# Altium PCB Front Row.PcbDoc (part 1 of 2)
Units mm, origin at the board's own origin, x right, y up, seen from the top; angles counter-clockwise.
Board outline 154 x 45 mm, 8 copper layers (Top Layer, Layer 2, Layer 3, Layer 4, Layer 5, Layer 6, Layer 7, Bottom Layer), stack 1.611 mm thick; 29 components, 105 nets, 532 pads, 156 vias.
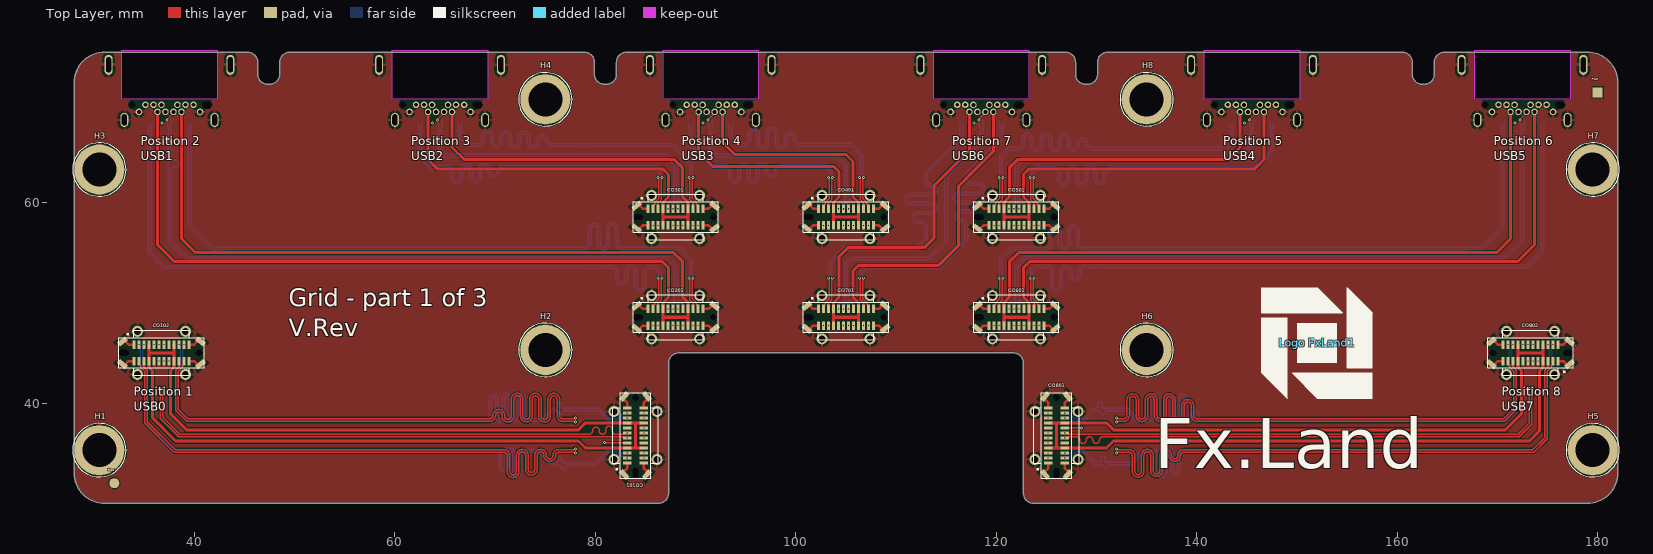
[diagram p0: Top Layer view]
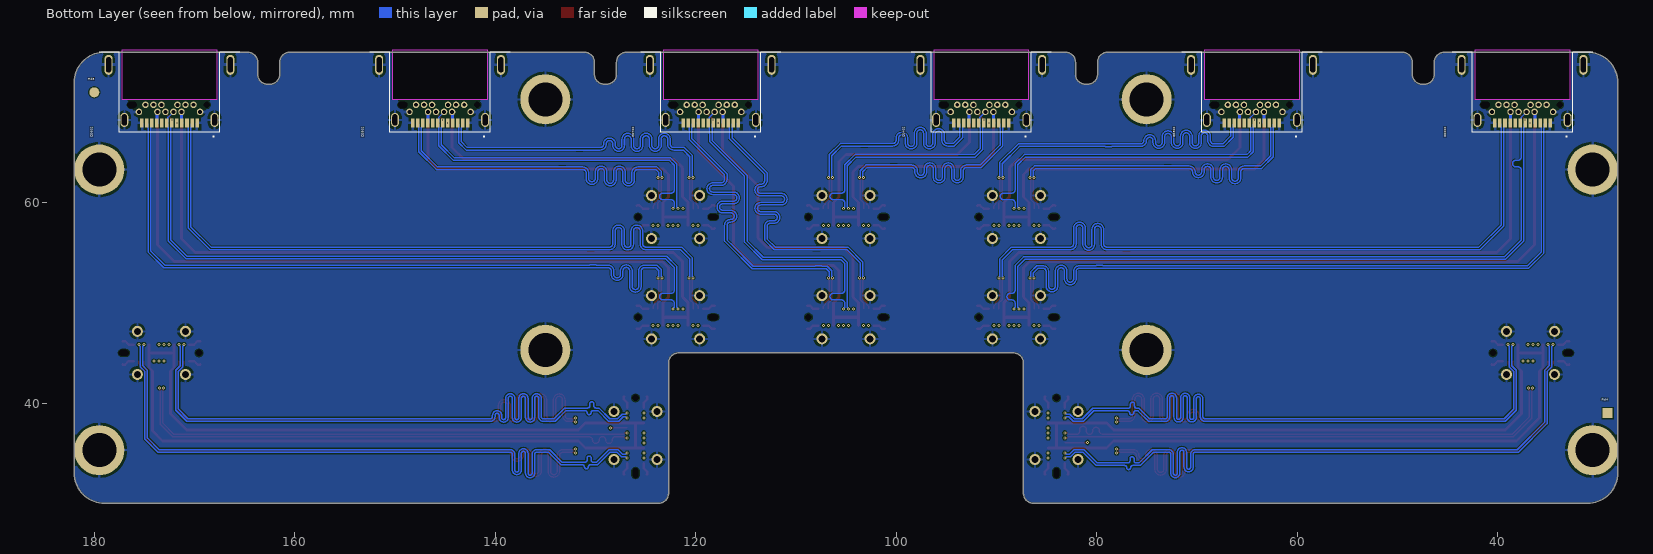
[diagram p1: Bottom Layer view, seen from below]
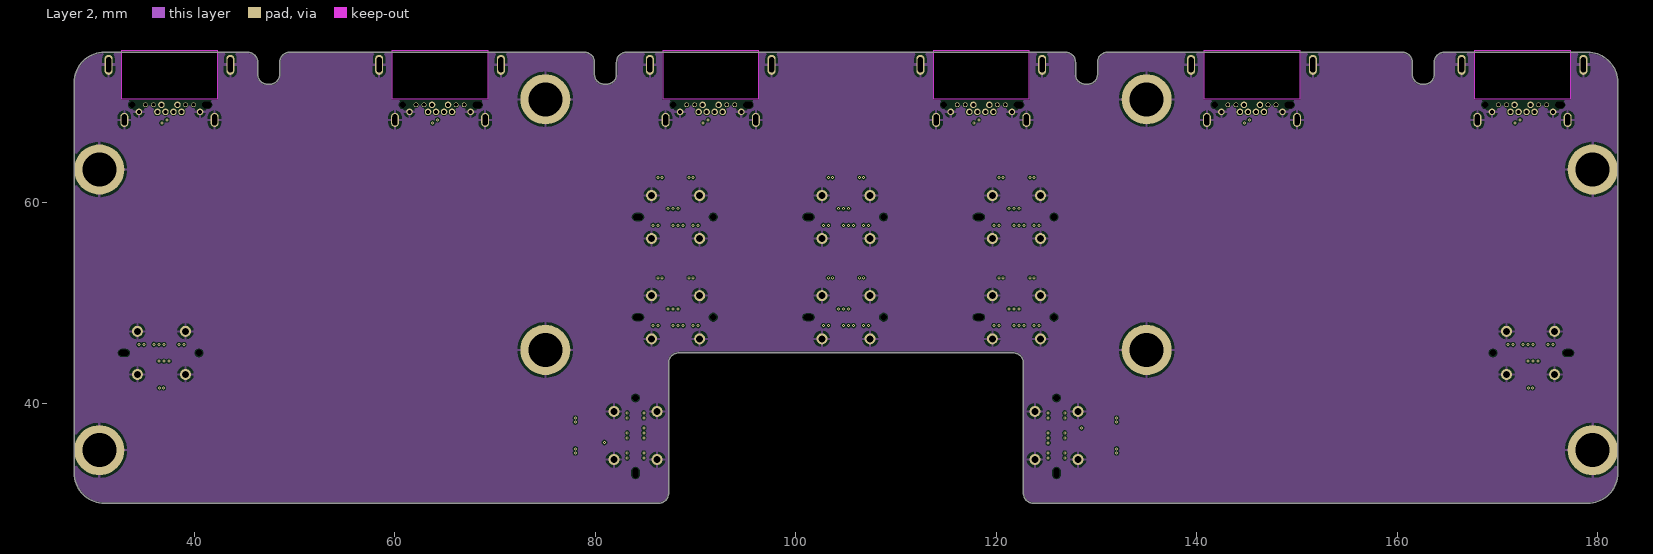
[diagram p2: Layer 2]
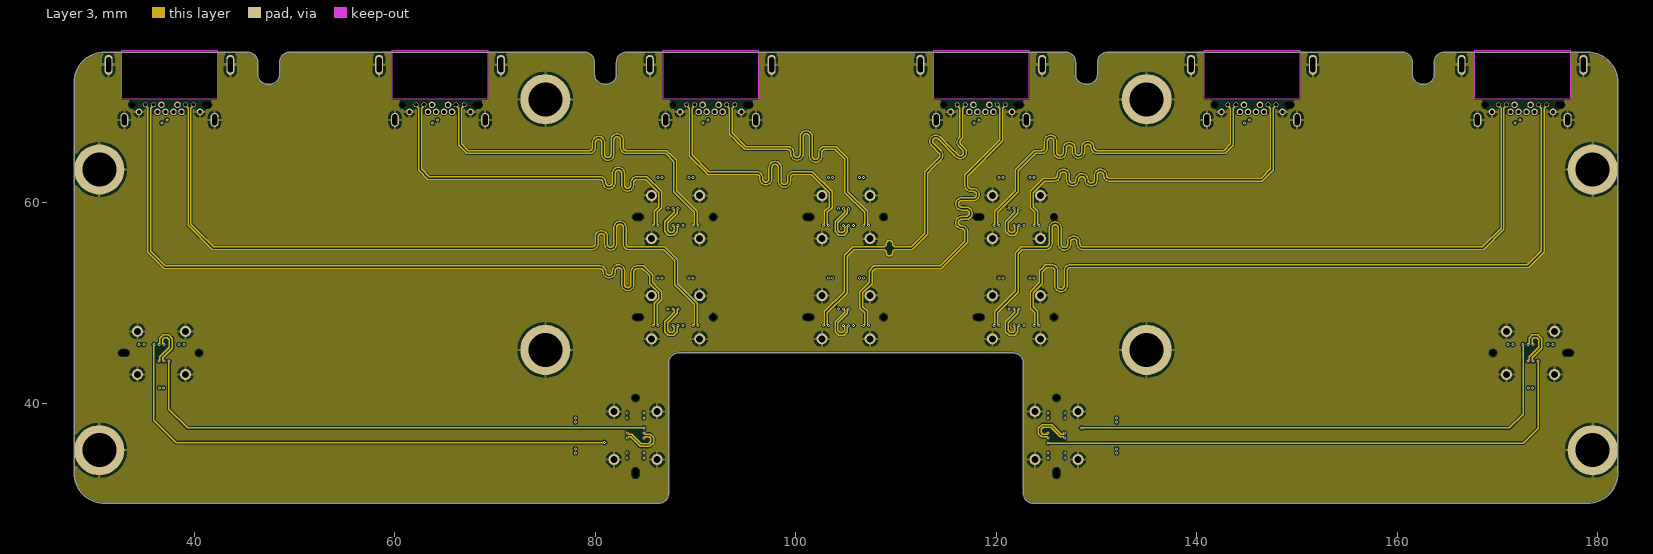
[diagram p3: Layer 3]
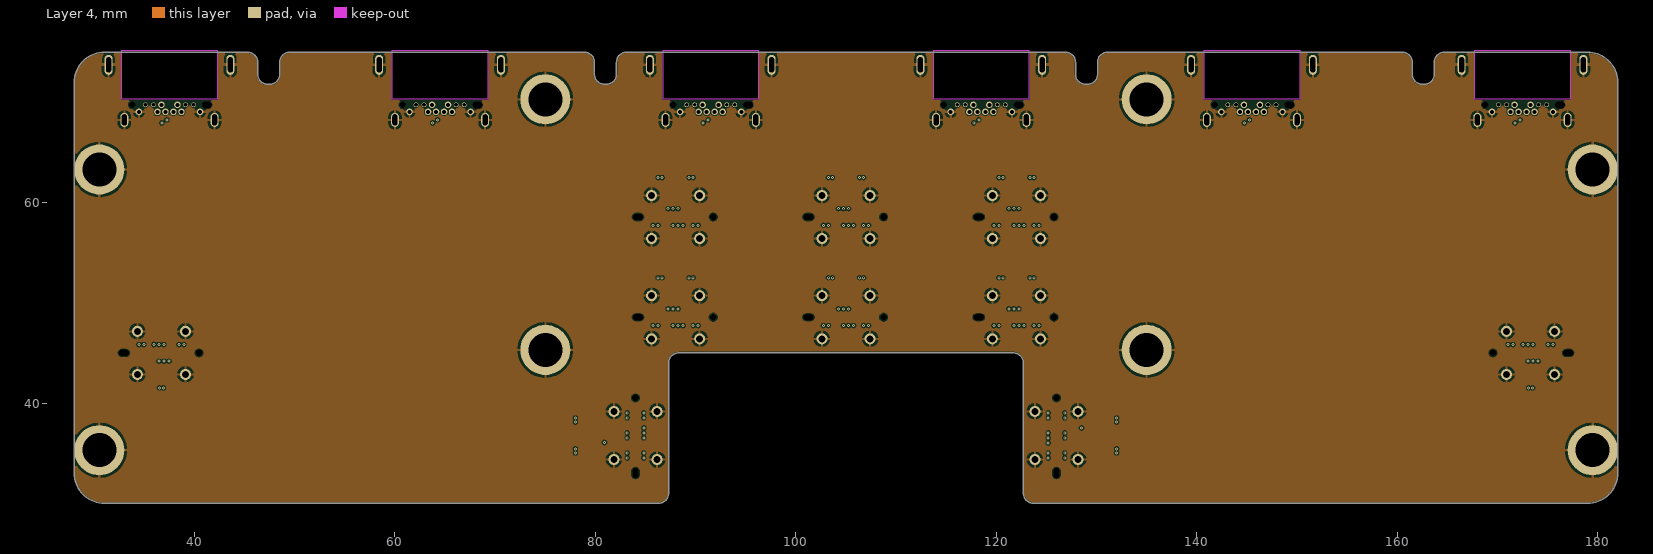
[diagram p4: Layer 4]
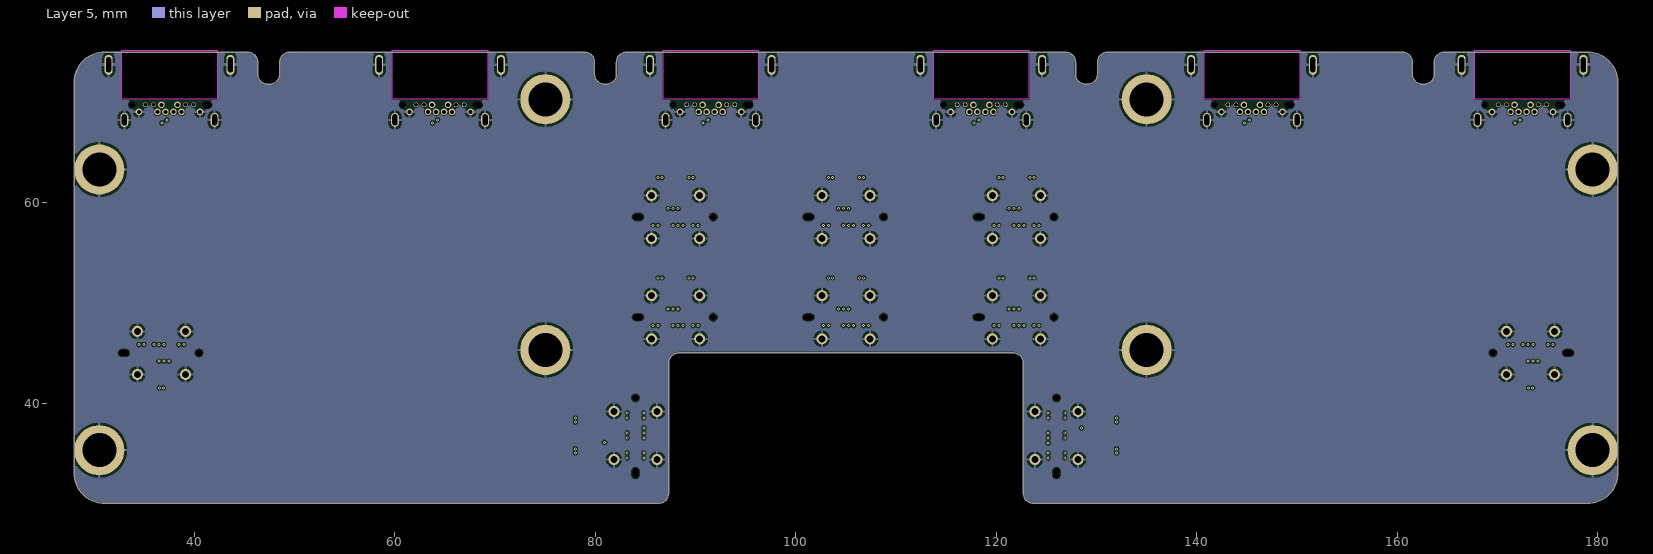
[diagram p5: Layer 5]
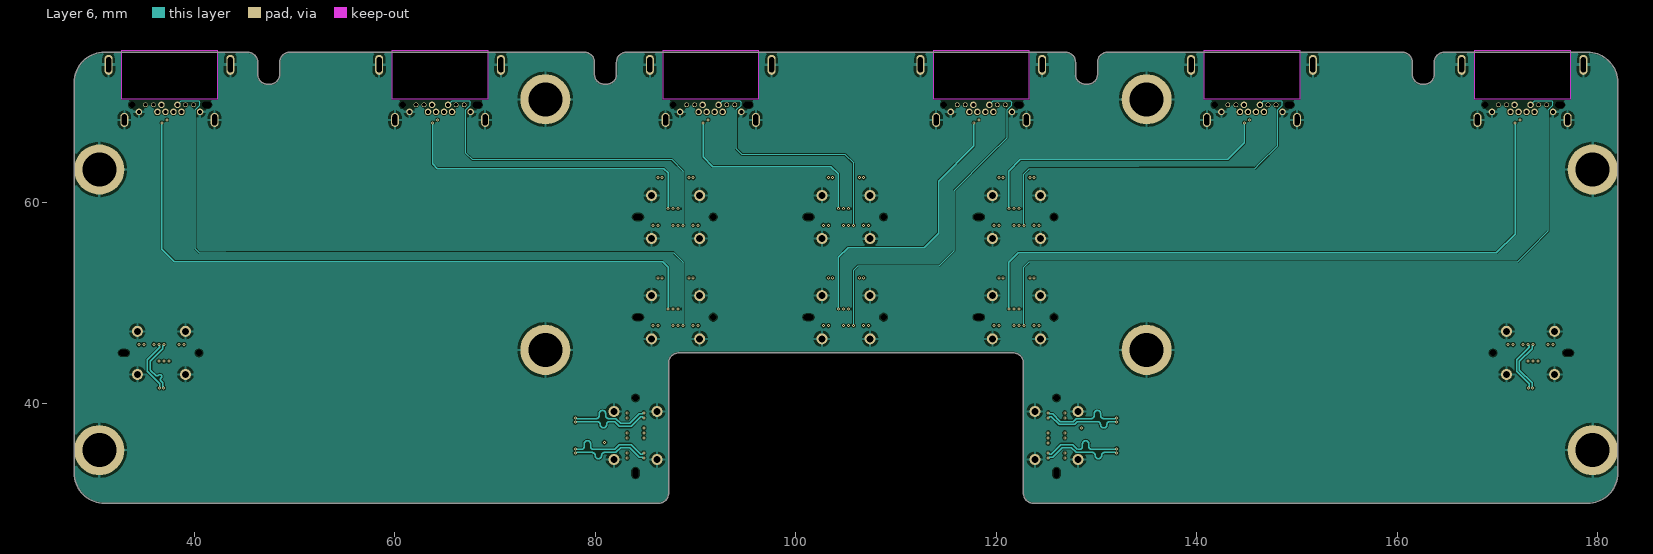
[diagram p6: Layer 6]
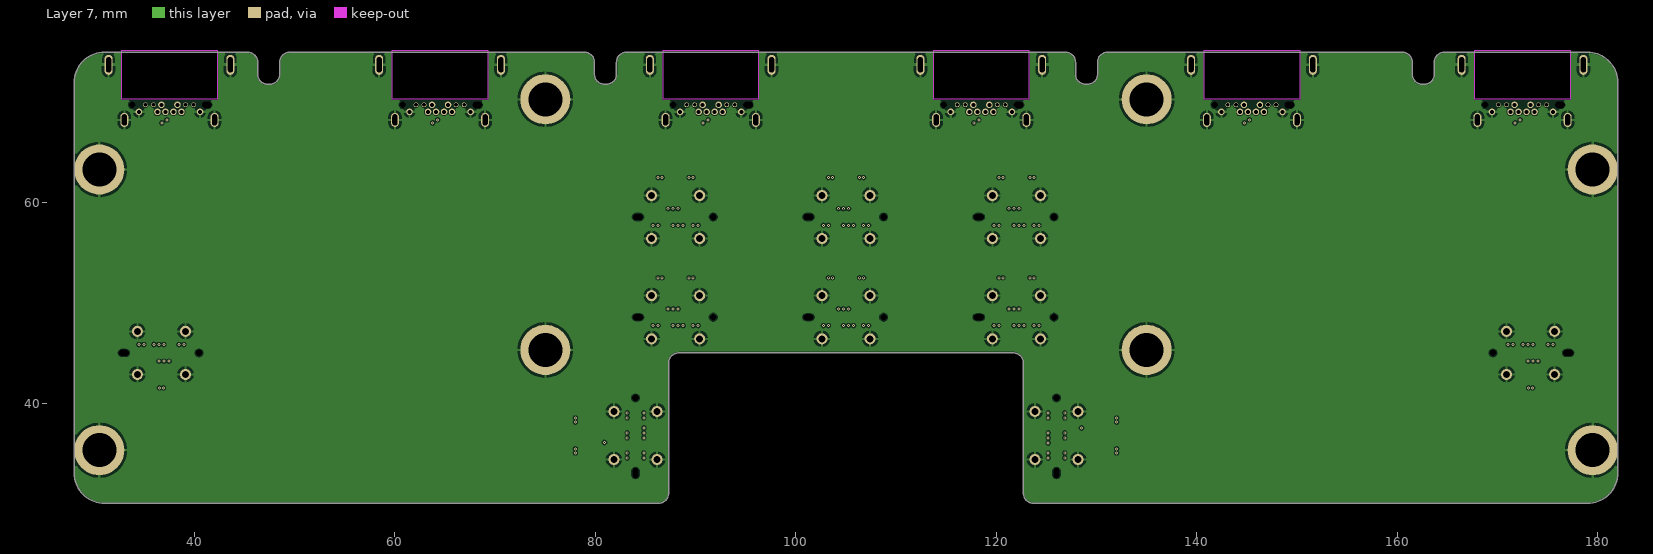
[diagram p7: Layer 7]
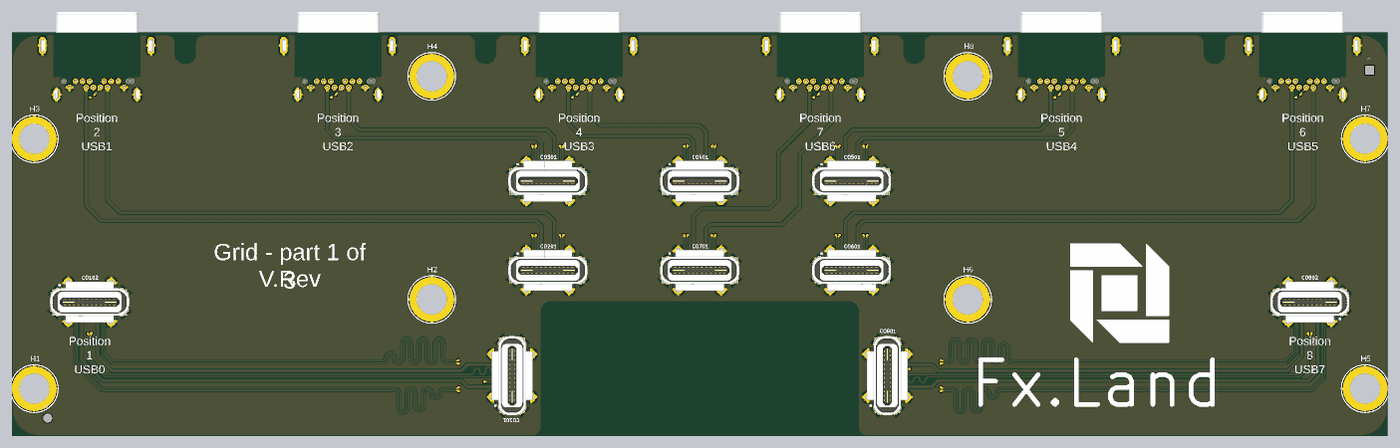
[diagram p9: 3D render of the assembled board from above, using the file's embedded part models]
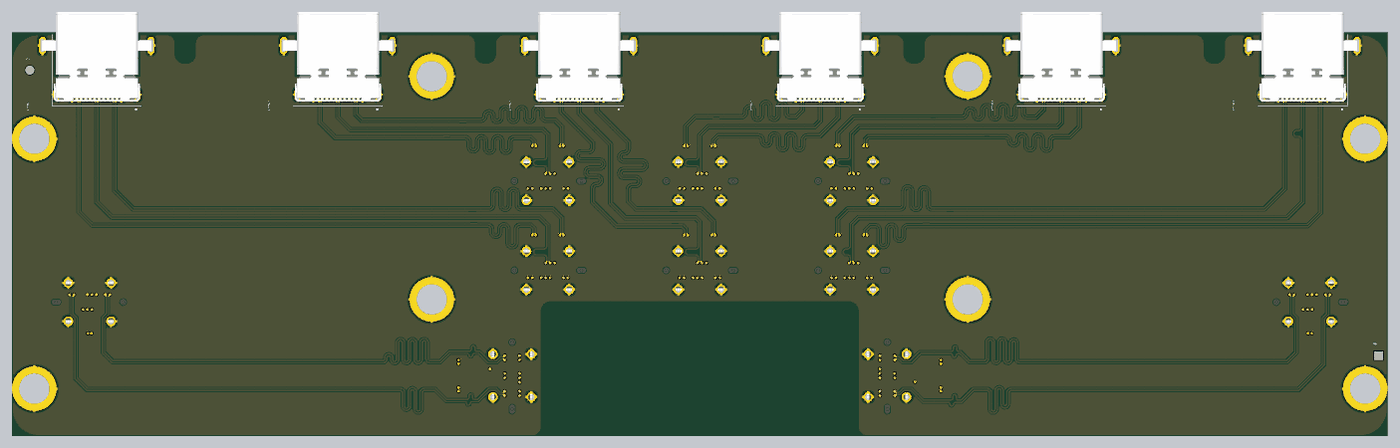
[diagram p10: 3D render of the assembled board from below, using the file's embedded part models]

## Layer stack, top to bottom
Top Solder: solder mask 0.0102, Solder Resist, Dk 3.5
Top Layer: signal copper 0.035
Dielectric 1: prepreg 0.1295, PP-017, Dk 4.3
Layer 2: signal copper 0.018
Dielectric 2: core 0.3048, Core-031, Dk 4.4
Layer 3: signal copper 0.018
Dielectric 3: prepreg 0.1295, PP-017, Dk 4.3
Layer 4: signal copper 0.018
Dielectric 4: core 0.3048, Core-031, Dk 4.4
Layer 5: signal copper 0.018
Dielectric 5: prepreg 0.1295, PP-017, Dk 4.3
Layer 6: signal copper 0.018
Dielectric 6: core 0.3048, Core-031, Dk 4.4
Layer 7: signal copper 0.018
Dielectric 7: prepreg 0.1295, PP-017, Dk 4.3
Bottom Layer: signal copper 0.035
Bottom Solder: solder mask 0.0102, Solder Resist, Dk 3.5

## Board outline
31,30 cw(c31,33) 28,33 28,72 cw(c31,72) 31,75 45.3,75 cw(c45.3,74) 46.3,74 46.3,72.8 ccw(c47.3,72.8) 47.3,71.8 47.5,71.8 ccw(c47.5,72.8) 48.5,72.8 48.5,74 cw(c49.5,74) 49.5,75 78.9,75 cw(c78.9,74) 79.9,74 79.9,72.8 ccw(c80.9,72.8) 80.9,71.8 81.1,71.8 ccw(c81.1,72.8) 82.1,72.8 82.1,74 cw(c83.1,74) 83.1,75 126.9,75 cw(c126.9,74) 127.9,74 127.9,72.8 ccw(c128.9,72.8) 128.9,71.8 129.1,71.8 ccw(c129.1,72.8) 130.1,72.8 130.1,74 cw(c131.1,74) 131.1,75 160.5,75 cw(c160.5,74) 161.5,74 161.5,72.8 ccw(c162.5,72.8) 162.5,71.8 162.7,71.8 ccw(c162.7,72.8) 163.7,72.8 163.7,74 cw(c164.7,74) 164.7,75 179,75 cw(c179,72) 182,72 182,33 cw(c179,33) 179,30 123.7,30 cw(c123.7,31) 122.7,31 122.7,44 ccw(c121.7,44) 121.7,45 88.3,45 ccw(c88.3,44) 87.3,44 87.3,31 cw(c86.3,31) 86.3,30

## Design rules (kind name [scope] priority, off if disabled: settings)
BoardOutlineClearance BoardOutlineClearanceText [OnLayer('Top Overlay')   or        OnLayer('Bottom Overlay')] p1: gap=0 ignorepadtopadclearanceinfootprint=FALSE
BoardOutlineClearance [All] p2: gap=0.1 ignorepadtopadclearanceinfootprint=FALSE except(0: Arc-SplitBarrior Arc-SplitContinuation Track-SplitBarrior Track-SplitContinuation SMDPad-SplitBarrior SMDPad-SplitContinuation THPad-SplitBarrior THPad-SplitContinuation Via-SplitBarrior Via-SplitContinuation Fill-SplitBarrior Fill-SplitContinuation Poly-SplitBarrior Poly-SplitContinuation Region-SplitBarrior Region-SplitContinuation Text-SplitBarrior Text-SplitContinuation)
Clearance Clearance_DiffPair [(InDifferentialPairClass('All Differential Pairs'))] p1: gap=0.1 ignorepadtopadclearanceinfootprint=TRUE except(0: Arc-Text Track-Text SMDPad-Text THPad-Text Via-Text Fill-Text Poly-Text Region-Text Text-Text Text-Hole)
Clearance Clearance_HighPWR [InNet('VPWR')  or   InNet('VIN') or InNet('PWR')] p2: gap=0.3 ignorepadtopadclearanceinfootprint=FALSE except(0: Arc-Text Track-Text SMDPad-Text THPad-Text Via-Text Fill-Text Poly-Text Region-Text Text-Text Text-Hole)
Clearance Clearance_MidPWR [InNet('+12V') or InNet('+5V')] p3: gap=0.2 ignorepadtopadclearanceinfootprint=TRUE except(0: Arc-Text Track-Text SMDPad-Text THPad-Text Via-Text Fill-Text Poly-Text Region-Text Text-Text Text-Hole)
Clearance Clearance_LowPWR [InNet('NetC104_1')] p4: gap=0.15 ignorepadtopadclearanceinfootprint=TRUE except(0: Arc-Text Track-Text SMDPad-Text THPad-Text Via-Text Fill-Text Poly-Text Region-Text Text-Text Text-Hole)
Clearance Clearance_DiffNets [All] p5: gap=0.105 ignorepadtopadclearanceinfootprint=TRUE except(0: Arc-Text Track-Text SMDPad-Text THPad-Text Via-Text Fill-Text Poly-Text Region-Text Text-Text Text-Hole)
Clearance Clearance_SameNets [All] p6: gap=0 ignorepadtopadclearanceinfootprint=FALSE
ComponentClearance [All] p1: gap=0 collisioncheckmode=3 verticalgap=0 showdistances=FALSE
DiffPairsRouting DiffPairsRouting_USB3 [InDifferentialPairClass('USB3')] p1: maxlimit=0.35 minlimit=0.1 mostfreqgap=0.35 toplayer_mingap=0.105 toplayer_maxgap=0.105 toplayer_prefgap=0.105 toplayer_minwidth=0.15 toplayer_maxwidth=0.15 toplayer_prefwidth=0.15 midlayer5_mingap=0.17 midlayer5_maxgap=0.17 midlayer5_prefgap=0.17 midlayer5_minwidth=0.125 midlayer5_maxwidth=0.125 midlayer5_prefwidth=0.125 midlayer6_mingap=0.17 midlayer6_maxgap=0.17 midlayer6_prefgap=0.17 midlayer6_minwidth=0.125 midlayer6_maxwidth=0.125 midlayer6_prefwidth=0.125 bottomlayer_mingap=0.105 bottomlayer_maxgap=0.105 bottomlayer_prefgap=0.105 bottomlayer_minwidth=0.15 bottomlayer_maxwidth=0.15 bottomlayer_prefwidth=0.15 impedanceprofiledriven=TRUE impedanceprofileid={F82EE1D6-53E3-4FFF-B392-DB82E17D8FEB} impedanceprofilevalue=90.000000 filterlayerstackid={976BEA40-2DA4-42A2-9577-73BD5A797D81} maxuncoupledlength=12.7
DiffPairsRouting DiffPairsRouting_USB [InDifferentialPairClass('USB')] p2: maxlimit=0.35 minlimit=0.1 mostfreqgap=0.35 toplayer_mingap=0.105 toplayer_maxgap=0.105 toplayer_prefgap=0.105 toplayer_minwidth=0.15 toplayer_maxwidth=0.15 toplayer_prefwidth=0.15 midlayer5_mingap=0.17 midlayer5_maxgap=0.17 midlayer5_prefgap=0.17 midlayer5_minwidth=0.125 midlayer5_maxwidth=0.125 midlayer5_prefwidth=0.125 midlayer6_mingap=0.17 midlayer6_maxgap=0.17 midlayer6_prefgap=0.17 midlayer6_minwidth=0.125 midlayer6_maxwidth=0.125 midlayer6_prefwidth=0.125 bottomlayer_mingap=0.105 bottomlayer_maxgap=0.105 bottomlayer_prefgap=0.105 bottomlayer_minwidth=0.15 bottomlayer_maxwidth=0.15 bottomlayer_prefwidth=0.15 impedanceprofiledriven=TRUE impedanceprofileid={F82EE1D6-53E3-4FFF-B392-DB82E17D8FEB} impedanceprofilevalue=90.000000 filterlayerstackid={976BEA40-2DA4-42A2-9577-73BD5A797D81} maxuncoupledlength=12.7
Height [All] p1: minheight=0 maxheight=100 prefheight=12.7
HoleSize [All] p1: absolutevalues=TRUE maxlimit=20 minlimit=0.025 maxpercent=80.000 minpercent=20.000
HoleToHoleClearance [All] p1: gap=0.125 allowstackedmicrovias=TRUE
MatchedLengths MatchedLengthsUSB [InDifferentialPairClass('USB3')] p1: tolerance=0.127 checknetsindiffpair=TRUE checkdiffpairvsdiffpair=FALSE checkxsignals=FALSE checkothers=FALSE
MatchedLengths MatchedLengthsUSB0 [InDifferentialPair('USB0') or InDifferentialPair('USB0_RX1') or InDifferentialPair('USB0_RX2') or InDifferentialPair('USB0_TX1') or InDifferentialPair('USB0_TX2')] p2: tolerance=6 checknetsindiffpair=FALSE checkdiffpairvsdiffpair=TRUE checkxsignals=TRUE checkothers=TRUE
MatchedLengths MatchedLengthsUSB1 [InDifferentialPair('USB1') or InDifferentialPair('USB1_RX1') or InDifferentialPair('USB1_RX2') or InDifferentialPair('USB1_TX1') or InDifferentialPair('USB1_TX2')] p3: tolerance=6 checknetsindiffpair=FALSE checkdiffpairvsdiffpair=TRUE checkxsignals=TRUE checkothers=TRUE
MatchedLengths MatchedLengthsUSB2 [InDifferentialPair('USB2') or InDifferentialPair('USB2_RX1') or InDifferentialPair('USB2_RX2') or InDifferentialPair('USB2_TX1') or InDifferentialPair('USB2_TX2')] p4: tolerance=6 checknetsindiffpair=FALSE checkdiffpairvsdiffpair=TRUE checkxsignals=TRUE checkothers=TRUE
MatchedLengths MatchedLengthsUSB3 [InDifferentialPair('USB3') or InDifferentialPair('USB3_RX1') or InDifferentialPair('USB3_RX2') or InDifferentialPair('USB3_TX1') or InDifferentialPair('USB3_TX2')] p5: tolerance=6 checknetsindiffpair=FALSE checkdiffpairvsdiffpair=TRUE checkxsignals=TRUE checkothers=TRUE
MatchedLengths MatchedLengthsUSB4 [InDifferentialPair('USB4') or InDifferentialPair('USB4_RX1') or InDifferentialPair('USB4_RX2') or InDifferentialPair('USB4_TX1') or InDifferentialPair('USB4_TX2')] p6: tolerance=6 checknetsindiffpair=FALSE checkdiffpairvsdiffpair=TRUE checkxsignals=TRUE checkothers=TRUE
MatchedLengths MatchedLengthsUSB5 [InDifferentialPair('USB5') or InDifferentialPair('USB5_RX1') or InDifferentialPair('USB5_RX2') or InDifferentialPair('USB5_TX1') or InDifferentialPair('USB5_TX2')] p7: tolerance=6 checknetsindiffpair=FALSE checkdiffpairvsdiffpair=TRUE checkxsignals=TRUE checkothers=TRUE
MatchedLengths MatchedLengthsUSB6 [InDifferentialPair('USB6') or InDifferentialPair('USB6_RX1') or InDifferentialPair('USB6_RX2') or InDifferentialPair('USB6_TX1') or InDifferentialPair('USB6_TX2')] p8: tolerance=6 checknetsindiffpair=FALSE checkdiffpairvsdiffpair=TRUE checkxsignals=TRUE checkothers=TRUE
MatchedLengths MatchedLengthsUSB7 [InDifferentialPair('USB7') or InDifferentialPair('USB7_RX1') or InDifferentialPair('USB7_RX2') or InDifferentialPair('USB7_TX1') or InDifferentialPair('USB7_TX2')] p9: tolerance=6 checknetsindiffpair=FALSE checkdiffpairvsdiffpair=TRUE checkxsignals=TRUE checkothers=TRUE
MinimumAnnularRing MinimumAnnularRingVia [IsVia] p1: minimumring=0.1
MinimumAnnularRing [All] p2: minimumring=0.05
MinimumSolderMaskSliver [All] p1: minsoldermaskwidth=0
PolygonConnect PolygonConnect_HighPWR [InNet('VPWR')  or   InNet('VIN') or InNet('PWR')] p1: connectstyle=Relief reliefconductorwidth=1.25 reliefentries=4 polygonreliefangle="90 Angle" airgapwidth=0.254
PolygonConnect PolygonConnect_MidPWR [InNet('+12V') or InNet('+5V')] p2: connectstyle=Relief reliefconductorwidth=0.7 reliefentries=4 polygonreliefangle="90 Angle" airgapwidth=0.254
PolygonConnect PolygonConnect_LowPWR [InNet('NetC104_1')] p3: connectstyle=Relief reliefconductorwidth=0.5 reliefentries=4 polygonreliefangle="90 Angle" airgapwidth=0.254
PolygonConnect [All] p4: connectstyle=Relief reliefconductorwidth=0.254 reliefentries=4 polygonreliefangle="90 Angle" airgapwidth=0.254
RoutingVias RoutingVias_DiffPair [InDifferentialPairClass('All Differential Pairs')] p1: holewidth=0.1 width=0.3 viastyle="Through Hole" minholewidth=0.1 minwidth=0.3 maxholewidth=0.5 maxwidth=0.6
RoutingVias [All] p2: holewidth=0.1 width=0.3 viastyle="Through Hole" minholewidth=0.1 minwidth=0.3 maxholewidth=6.3 maxwidth=6.9
SilkToSilkClearance [All] p1: silktosilkclearance=0
SilkToSolderMaskClearance [IsPad] p1: minsilkscreentomaskgap=0 clearancetoexposedcopper=TRUE
SolderMaskExpansion [All] p1: expansion=0.102 istentingtop=FALSE
UnRoutedNet [All] p1: checkbadconnections=TRUE
Width Width_12V [InNet('+12V')] p1: maxlimit=2 minlimit=0.75 preferedwidth=1
Width Width_VIN [InNet('VIN')] p2: maxlimit=2 minlimit=0.75 preferedwidth=1
Width Width_VPWR [InNet('VPWR')] p3: maxlimit=2 minlimit=0.5 preferedwidth=0.7
Width [All] p4: maxlimit=20 minlimit=0.1 preferedwidth=0.254
21 further rules are at their usual default settings.

## Classes and differential pairs
component class "Grid Position 7/8": CO701 CO702
component class "Grid Position 6/8": CO601 CO602
component class "Grid Position 5/8": CO501 CO502
component class "Grid Position 4/8": CO401 CO402
component class "Grid Position 3/8": CO301 CO302
differential pair class USB3: USB0 USB0_RX1 USB0_RX2 USB0_TX1 USB0_TX2 USB1 USB1_RX1 USB1_RX2 USB1_TX1 USB1_TX2 USB2 USB2_RX1 USB2_RX2 USB2_TX1 USB2_TX2 USB3 USB3_RX1 USB3_RX2 USB3_TX1 USB3_TX2 USB4 USB4_RX1 USB4_RX2 USB4_TX1 USB4_TX2 USB5 USB5_RX1 USB5_RX2 USB5_TX1 USB5_TX2 USB6 USB6_RX1 USB6_RX2 USB6_TX1 USB6_TX2 USB7 USB7_RX1 USB7_RX2 USB7_TX1 USB7_TX2
component class "Grid Position 8/8": CO801 CO802
component class "Grid Position 2/8": CO201 CO202
component class "Grid Position 1/8": CO101 CO102
component class 001_OverViewGridMod1V3: Fid1 Fid2 Fid3 Fid4 H1 H2 H3 H4 H5 H6 H7 H8 "Logo FxLand1"
differential pair USB6: +USB6_P -USB6_N
differential pair USB6_TX2: +USB6_TX2_P -USB6_TX2_N
differential pair USB6_TX1: +USB6_TX1_P -USB6_TX1_N
differential pair USB6_RX2: +USB6_RX2_P -USB6_RX2_N
differential pair USB6_RX1: +USB6_RX1_P -USB6_RX1_N
differential pair USB5: +USB5_P -USB5_N
differential pair USB5_TX2: +USB5_TX2_P -USB5_TX2_N
differential pair USB5_TX1: +USB5_TX1_P -USB5_TX1_N
differential pair USB5_RX2: +USB5_RX2_P -USB5_RX2_N
differential pair USB5_RX1: +USB5_RX1_P -USB5_RX1_N
differential pair USB4: +USB4_P -USB4_N
differential pair USB4_TX2: +USB4_TX2_P -USB4_TX2_N
differential pair USB4_TX1: +USB4_TX1_P -USB4_TX1_N
differential pair USB4_RX2: +USB4_RX2_P -USB4_RX2_N
differential pair USB4_RX1: +USB4_RX1_P -USB4_RX1_N
differential pair USB3: +USB3_P -USB3_N
differential pair USB3_TX2: +USB3_TX2_P -USB3_TX2_N
differential pair USB3_TX1: +USB3_TX1_P -USB3_TX1_N
differential pair USB3_RX2: +USB3_RX2_P -USB3_RX2_N
differential pair USB3_RX1: +USB3_RX1_P -USB3_RX1_N
differential pair USB2: +USB2_P -USB2_N
differential pair USB2_TX2: +USB2_TX2_P -USB2_TX2_N
differential pair USB2_TX1: +USB2_TX1_P -USB2_TX1_N
differential pair USB2_RX2: +USB2_RX2_P -USB2_RX2_N
differential pair USB2_RX1: +USB2_RX1_P -USB2_RX1_N
differential pair USB7: +USB7_P -USB7_N
differential pair USB7_TX2: +USB7_TX2_P -USB7_TX2_N
differential pair USB7_TX1: +USB7_TX1_P -USB7_TX1_N
differential pair USB7_RX2: +USB7_RX2_P -USB7_RX2_N
differential pair USB7_RX1: +USB7_RX1_P -USB7_RX1_N
differential pair USB1: +USB1_P -USB1_N
differential pair USB1_TX2: +USB1_TX2_P -USB1_TX2_N
differential pair USB1_TX1: +USB1_TX1_P -USB1_TX1_N
differential pair USB1_RX2: +USB1_RX2_P -USB1_RX2_N
differential pair USB1_RX1: +USB1_RX1_P -USB1_RX1_N
differential pair USB0: +USB0_P -USB0_N
differential pair USB0_TX2: +USB0_TX2_P -USB0_TX2_N
differential pair USB0_TX1: +USB0_TX1_P -USB0_TX1_N
differential pair USB0_RX2: +USB0_RX2_P -USB0_RX2_N
differential pair USB0_RX1: +USB0_RX1_P -USB0_RX1_N
